# Altium PCB MLB_REV1.PcbDoc (part 1 of 3)
Units mm, origin at the board's own origin, x right, y up, seen from the top; angles counter-clockwise.
Board outline 150 x 100 mm, 2 copper layers (Top Layer, Bottom Layer); 244 components, 218 nets, 948 pads, 549 vias.
Unrouted connection lines stored in the file: 5.
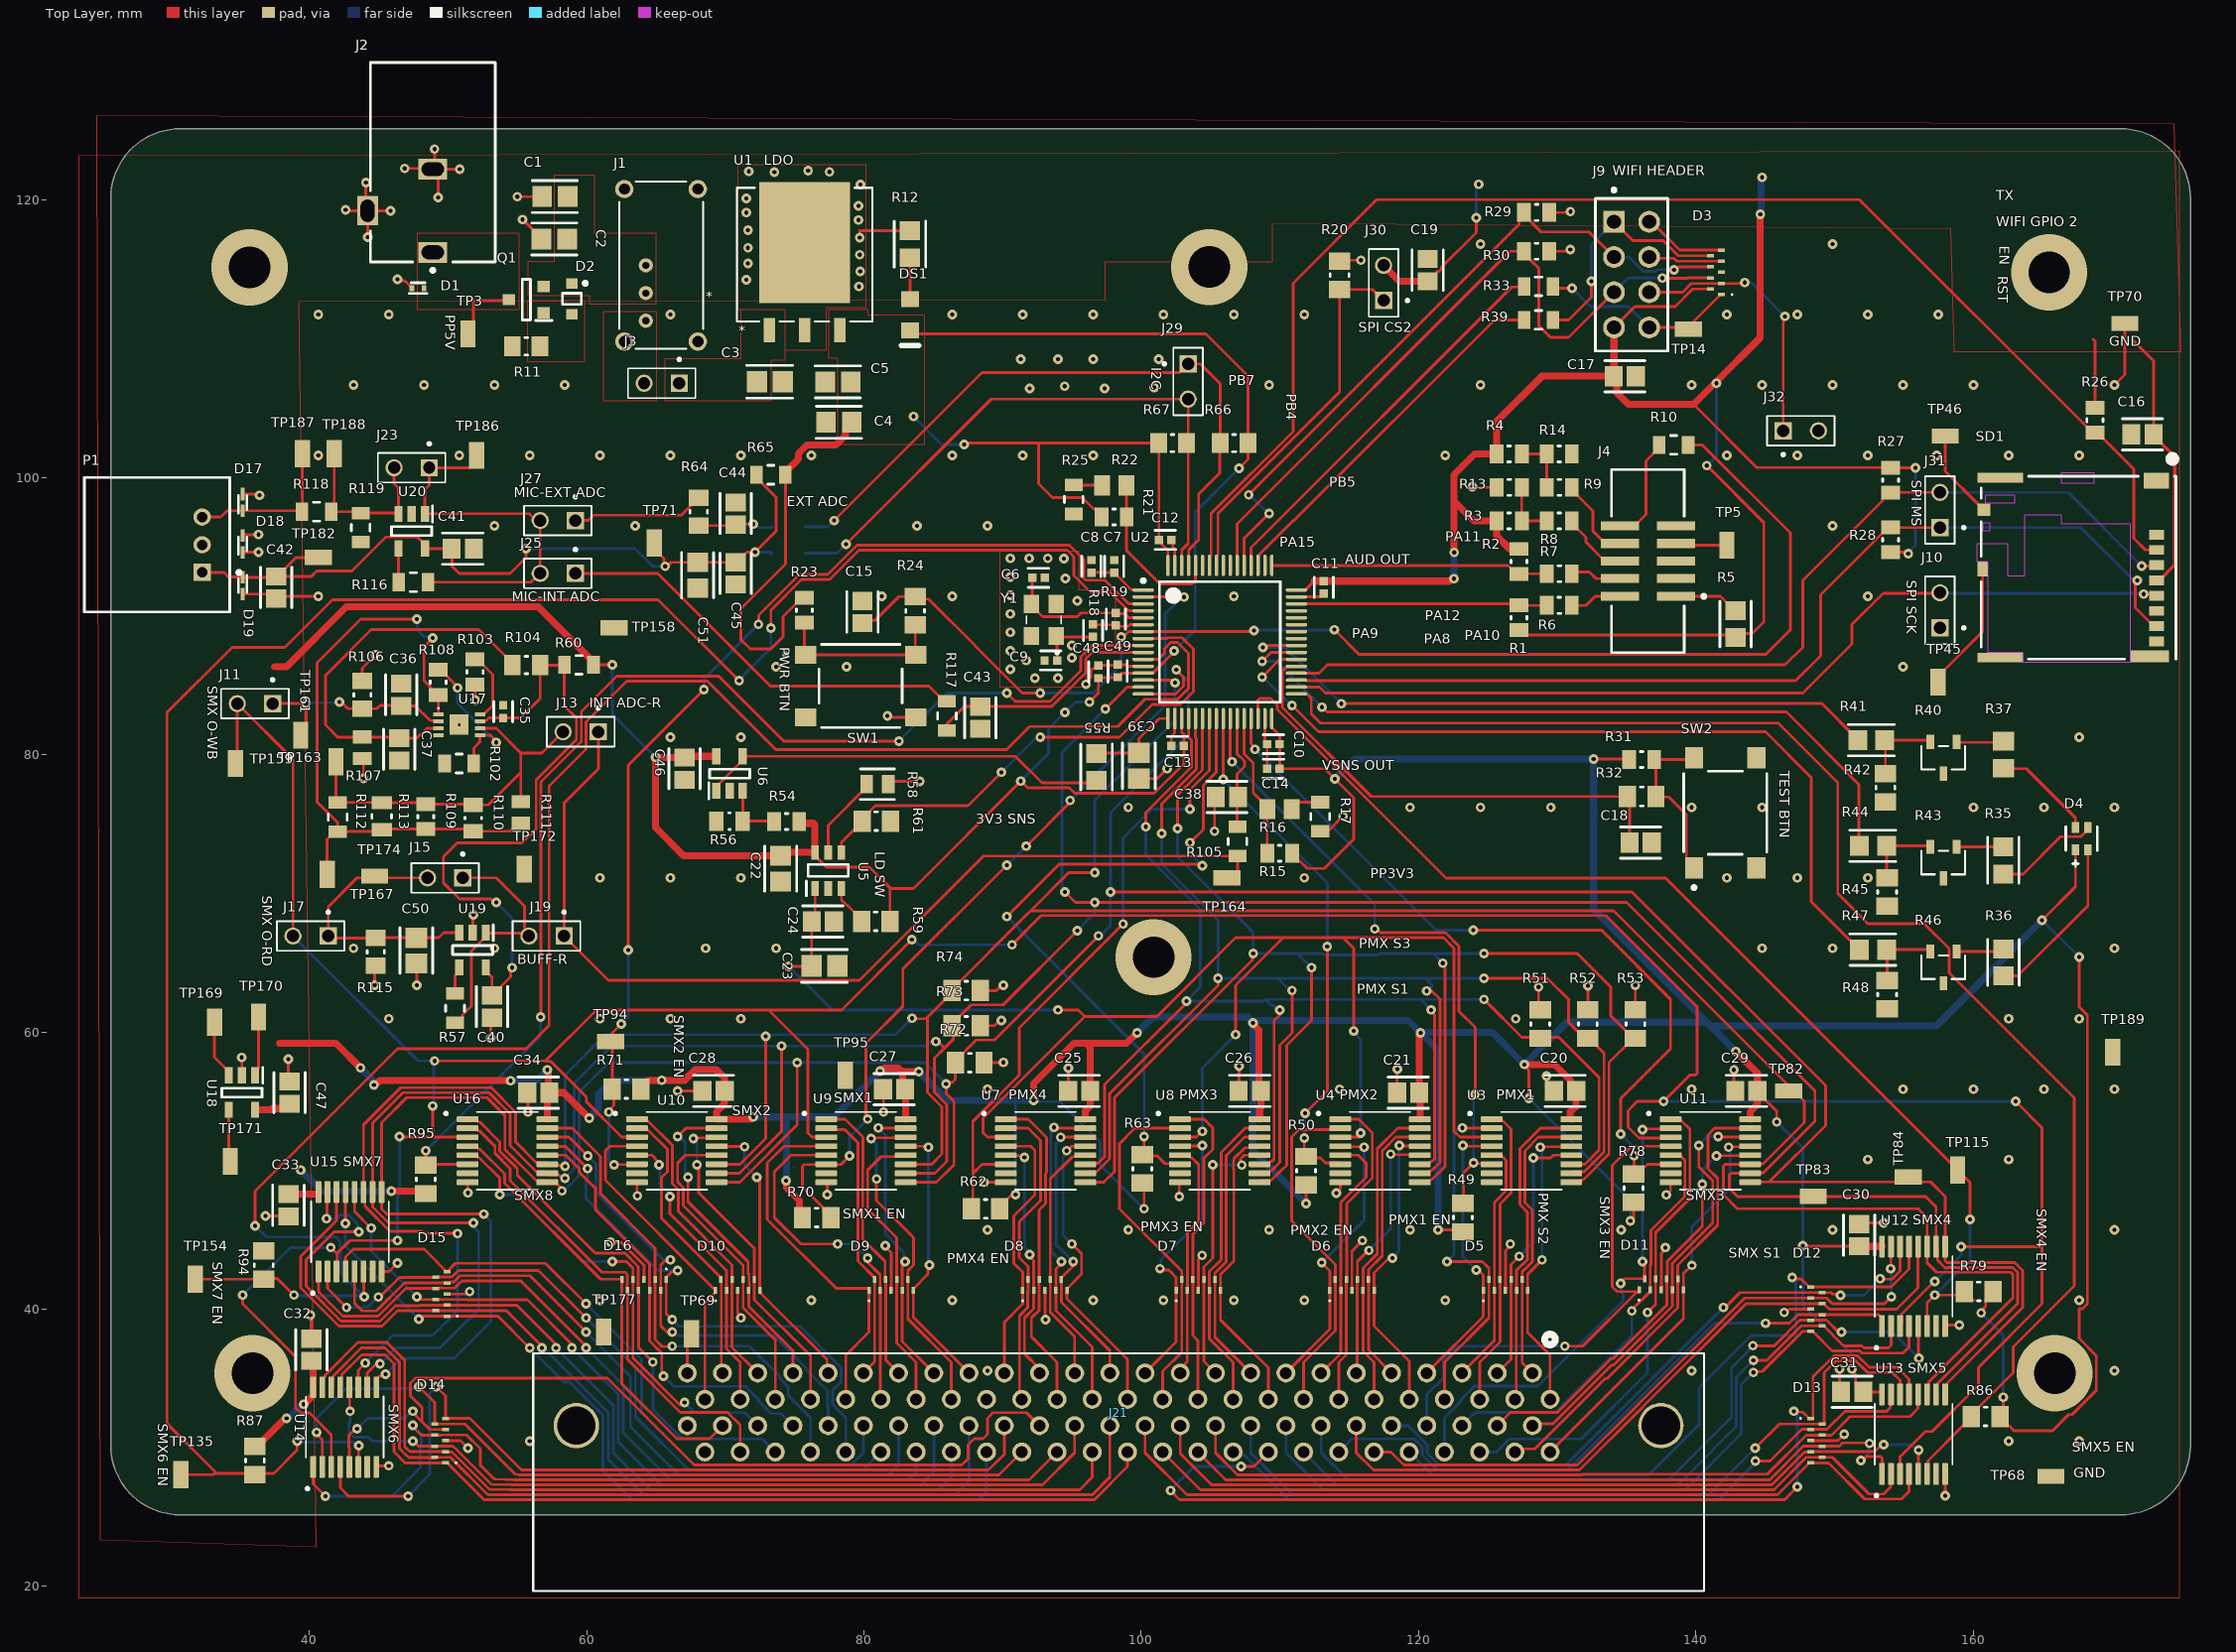
[diagram p0: Top Layer view]
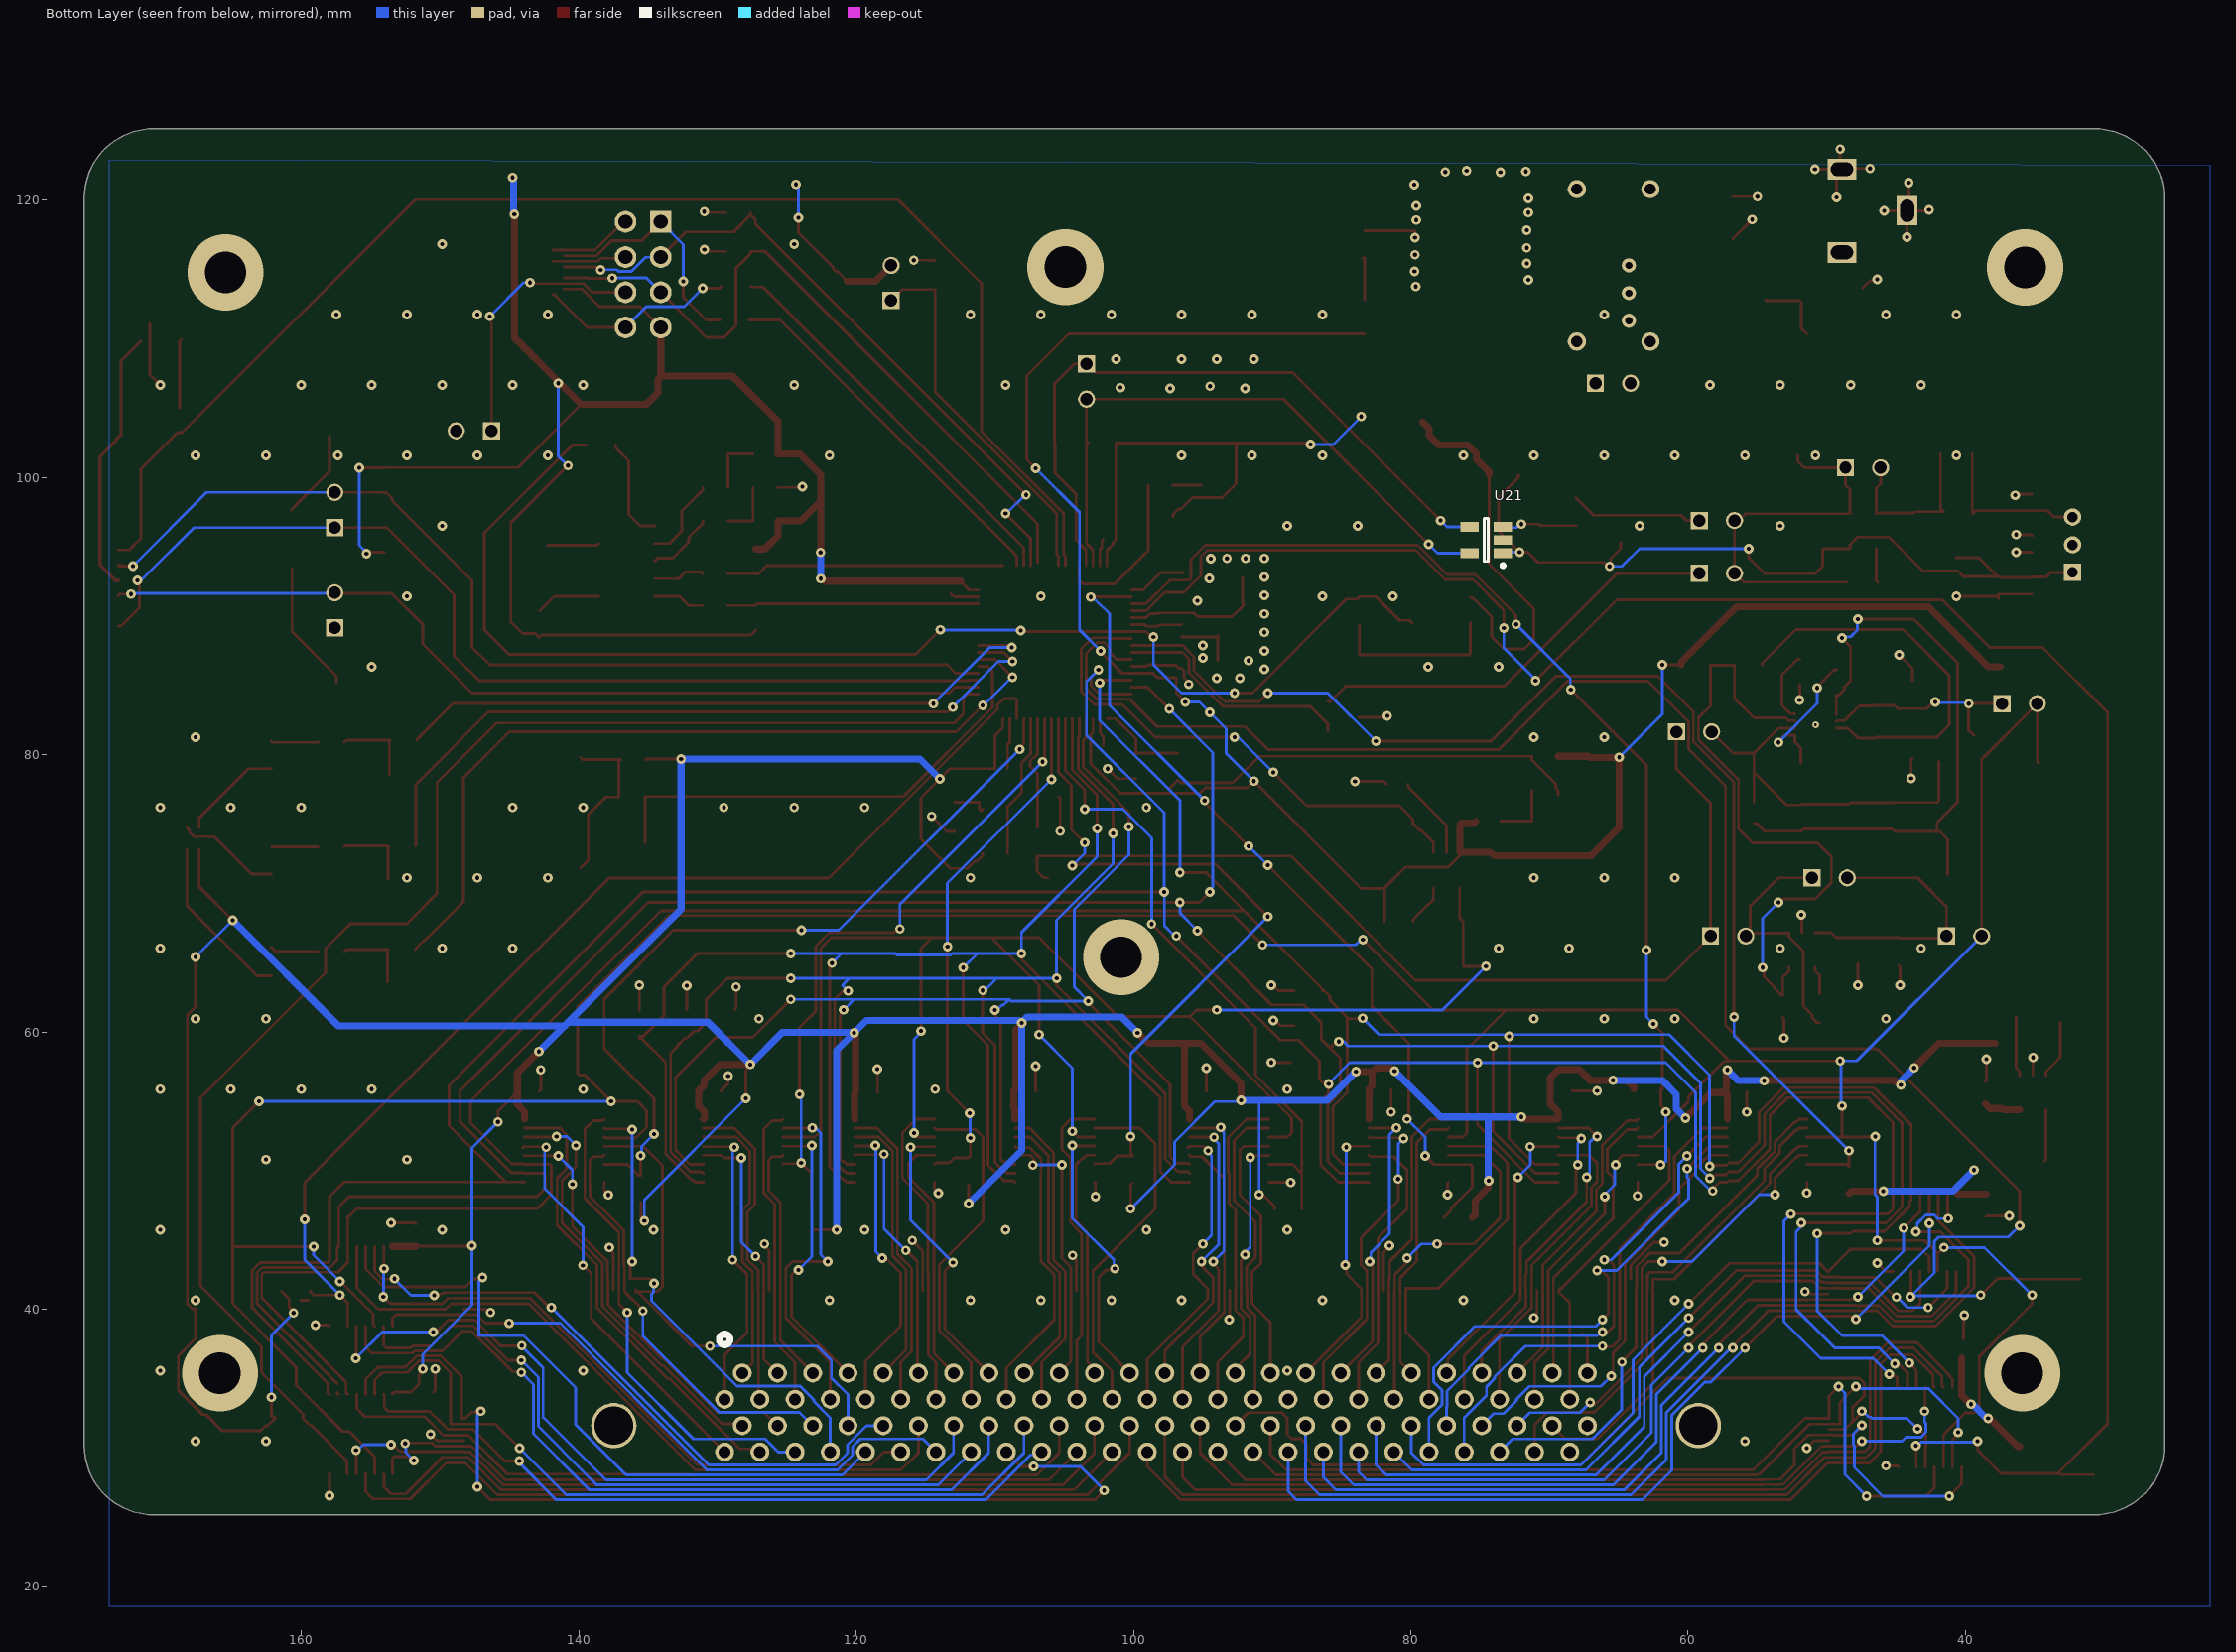
[diagram p1: Bottom Layer view, seen from below]
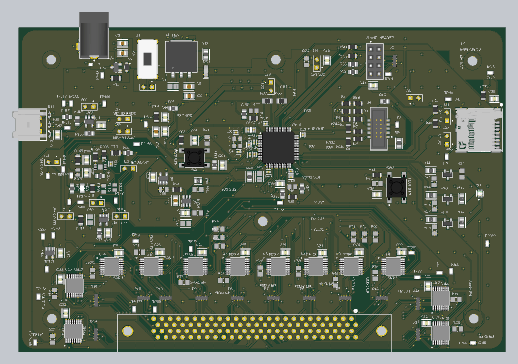
[diagram p4: 3D render of the assembled board from above, using the file's embedded part models]

## Layer stack, top to bottom
Top Solder: solder mask 0.0102, Solder Resist, Dk 3.5
Top Layer: signal copper 0.0356
Dielectric 1: dielectric 0.32, FR-4, Dk 4.8
Bottom Layer: signal copper 0.0356
Bottom Solder: solder mask 0.0102, Solder Resist, Dk 3.5

## Board outline
25.671,30.166 ccw(c30.671,30.166) 30.671,25.166 170.671,25.166 ccw(c170.671,30.166) 175.671,30.166 175.671,120.166 ccw(c170.671,120.166) 170.671,125.166 30.671,125.166 ccw(c30.671,120.166) 25.671,120.166

## Design rules (kind name [scope] priority, off if disabled: settings)
BoardOutlineClearance [All] p1: gap=1 ignorepadtopadclearanceinfootprint=FALSE except(0: Arc-SplitContinuation Track-SplitContinuation SMDPad-SplitContinuation THPad-SplitContinuation Via-SplitContinuation Fill-SplitContinuation Poly-SplitContinuation Region-SplitContinuation Text-SplitContinuation)
Clearance [All] p1: gap=0.152 ignorepadtopadclearanceinfootprint=FALSE
MinimumAnnularRing [All] p1: minimumring=0.152
PolygonConnect [All] p1: connectstyle=Relief reliefconductorwidth=0.254 reliefentries=4 polygonreliefangle="90 Angle" airgapwidth=0.254
RoutingVias [All] p1: holewidth=0.3 width=0.7 viastyle="Through Hole" minholewidth=0.3 minwidth=0.7 maxholewidth=0.711 maxwidth=1.27
SolderMaskExpansion [All] p1: expansion=0.102 istentingtop=FALSE
UnRoutedNet [All] p1: checkbadconnections=TRUE
Width [InNetClass('All Nets')] p1: maxlimit=0.508 minlimit=0.152 preferedwidth=0.203 minimp=50.000000 maximp=50.000000 favimp=50.000000
29 further rules are at their usual default settings.

## Classes and differential pairs
component class VELOSTAT_SENSING: C35 C36 C37 C38 C40 C47 C50 J11 J13 J15 J17 J19 R57 R60 R102 R103 R104 R105 R106 R107 R108 R109 R110 R111 R112 R113 R115 TP158 TP159 TP161 TP163 TP164 TP167 TP169 TP170 TP171 TP172 TP174 U17 U18 U19
component class SENSE_MUXES: C27 C28 C29 C30 C31 C32 C33 C34 R70 R71 R72 R73 R74 R78 R79 R86 R87 R94 R95 TP74 TP75 TP76 TP77 TP78 TP79 TP80 TP81 TP82 TP83 TP84 TP85 TP86 TP87 TP88 TP89 TP90 TP91 TP92 TP94 TP95 TP98 TP99 TP100 TP101 TP102 TP103 TP104 TP105 TP106 TP107 TP108 TP109 TP110 TP111 TP112 TP113 TP115 TP118 TP119 TP120 TP121 TP122 TP123 TP124 TP125 TP126 TP127 TP128 TP129 TP130 TP131 TP132 TP133 TP135 TP138 TP139 TP140 TP141 TP142 TP143 TP144 TP145 TP146 TP147 TP148 TP149 TP150 TP151 TP152 TP153 TP154 U9 U10 U11 U12 U13 U14 U15 U16
component class SD_CARD_WiFi: C16 C17 C18 C19 D3 D4 J9 J10 J29 J30 J31 J32 R20 R26 R27 R28 R29 R30 R31 R32 R33 R35 R36 R37 R39 R40 R41 R42 R43 R44 R45 R46 R47 R48 SD1 SW2 TP10 TP14 TP22 TP23 TP24 TP25 TP45 TP46
component class POWER_MUXES: 3 C20 C21 C22 C23 C24 C25 C26 C39 C46 R49 R50 R51 R52 R53 R54 R55 R56 R58 R59 R61 R62 R63 TP26 TP27 TP28 TP29 TP30 TP31 TP32 TP33 TP34 TP35 TP36 TP37 TP38 TP39 TP40 TP41 TP47 TP50 TP51 TP52 TP53 TP54 TP55 TP56 TP57 TP58 TP59 TP60 TP61 TP62 TP63 TP64 TP65 U3 U4 U5 U6 U7 U8
component class POWER_MCU: C1 C2 C3 C4 C5 C6 C7 C8 C9 C10 C11 C12 C13 C14 C15 C48 C49 D1 D2 DS1 J1 J2 J3 J4 Q1 R1 R2 R3 R4 R5 R6 R7 R8 R9 R10 R11 R12 R13 R14 R15 R16 R17 R18 R19 R21 R22 R23 R24 R25 R66 R67 SW1 TP3 TP5 U1 U2 Y1
component class MICROPHONE: C41 C42 C43 C44 C45 C51 D17 D18 D19 J23 J24 J25 J27 P1 R64 R65 R116 R117 R118 R119 TP68 TP70 TP71 TP179 TP180 TP182 TP184 TP186 TP187 TP188 TP189 TP191 TP192 TP193 TP194 U20 U21
component class MAT_CABLING_CONNECTOR: D5 D6 D7 D8 D9 D10 D11 D12 D13 D14 D15 D16 J21 TP69 TP177

## Components (designator, comment, footprint, x,y, rotation, side; value= is the part's Value field where it differs from the comment)
C1 "GRM21BR71A106KA73K" FP-GRM21B-0_15-IPC_A 57.695,120.269 r180 top
C2 "GRM21BR61A226ME51L" FP-GRM21B-0_15-IPC_A 57.658,117.221 r180 top
C3 "CL21B105KOFNNNE" FP-CL21-IPC_A 73.207,106.912 r0 top
C4 "GRM21BR61A226ME51L" FP-GRM21B-0_15-IPC_A 78.189,103.991 r180 top
C5 "GRM21BR71A106KA73K" FP-GRM21B-0_15-IPC_A 78.123,106.912 r180 top
C6 "GJM1555C1H140GB01D" FP-CC0402-IPC_B 92.583,92.773 r0 top
C7 "CC0402KRX7R7BB104" FP-CC0402-IPC_B 98.044,93.599 r90 top value="100 nF"
C8 "GRM155R60J106ME05D" FP-CC0402-IPC_B 96.393,93.599 r90 top
C9 "GJM1555C1H140GB01D" FP-CC0402-IPC_B 93.472,86.804 r180 top
C10 "CC0402KRX7R7BB104" FP-CC0402-IPC_B 109.53,80.772 r180 top value="100 nF"
C11 "CC0402KRX7R7BB104" FP-CC0402-IPC_B 113.157,92.075 r270 top value="100 nF"
C12 "CC0402KRX7R7BB104" FP-CC0402-IPC_B 101.727,95.504 r0 top value="100 nF"
C13 "CC0402KRX7R7BB104" FP-CC0402-IPC_B 102.616,80.645 r180 top value="100 nF"
C14 "GRM155R60J106ME05D" FP-CC0402-IPC_B 109.53,78.994 r180 top
C15 "C0805C104M3RACTU" FP-C0805C-DN-IPC_B 79.883,90.297 r90 top value="0.10 μF"
C16 "C0805C104M3RACTU" FP-C0805C-DN-IPC_B 172.212,103.124 r180 top value="0.10 μF"
C17 "C0805C104M3RACTU" FP-C0805C-DN-IPC_B 134.874,107.315 r0 top value="0.10 μF"
C18 "C0805C104M3RACTU" FP-C0805C-DN-IPC_B 136.017,73.66 r0 top value="0.10 μF"
C19 "C0805C104M3RACTU" FP-C0805C-DN-IPC_B 120.65,114.974 r90 top value="0.10 μF"
C20 "C0805C104M3RACTU" FP-C0805C-DN-IPC_B 130.568,55.753 r180 top value="0.10 μF"
C21 "C0805C104M3RACTU" FP-C0805C-DN-IPC_B 119.253,55.626 r180 top value="0.10 μF"
C22 "GRM21BR71A106KA73K" FP-GRM21B-0_15-IPC_A 73.984,71.786 r270 top
C23 "CL21B105KOFNNNE" FP-CL21-IPC_A 77.146,64.77 r0 top
C24 "C0805C104M3RACTU" FP-C0805C-DN-IPC_B 77.032,67.976 r0 top value="0.10 μF"
C25 "C0805C104M3RACTU" FP-C0805C-DN-IPC_B 95.519,55.753 r180 top value="0.10 μF"
C26 "C0805C104M3RACTU" FP-C0805C-DN-IPC_B 107.823,55.753 r180 top value="0.10 μF"
C27 "C0805C104M3RACTU" FP-C0805C-DN-IPC_B 82.169,55.88 r180 top value="0.10 μF"
C28 "C0805C104M3RACTU" FP-C0805C-DN-IPC_B 69.147,55.753 r180 top value="0.10 μF"
C29 "C0805C104M3RACTU" FP-C0805C-DN-IPC_B 143.637,55.753 r180 top value="0.10 μF"
C30 "C0805C104M3RACTU" FP-C0805C-DN-IPC_B 151.765,45.339 r90 top value="0.10 μF"
C31 "C0805C104M3RACTU" FP-C0805C-DN-IPC_B 151.272,34.036 r180 top value="0.10 μF"
C32 "C0805C104M3RACTU" FP-C0805C-DN-IPC_B 40.132,37.072 r90 top value="0.10 μF"
C33 "C0805C104M3RACTU" FP-C0805C-DN-IPC_B 38.481,47.498 r270 top value="0.10 μF"
C34 "C0805C104M3RACTU" FP-C0805C-DN-IPC_B 56.503,55.626 r180 top value="0.10 μF"
C35 "CC0402KRX7R7BB104" FP-CC0402-IPC_B 53.975,83.114 r90 top value="100 nF"
C36 "C0805C104M3RACTU" FP-C0805C-DN-IPC_B 46.609,84.328 r90 top value="0.10 μF"
C37 "C0805C104M3RACTU" FP-C0805C-DN-IPC_B 46.482,80.391 r270 top value="0.10 μF"
C38 "C0805C104M3RACTU" FP-C0805C-DN-IPC_B 106.172,76.962 r180 top value="0.10 μF"
C39 "CL21B105KOFNNNE" FP-CL21-IPC_A 99.822,79.211 r270 top
C40 "C0805C104M3RACTU" FP-C0805C-DN-IPC_B 53.162,61.837 r90 top value="0.10 μF"
C41 "C0805C104M3RACTU" FP-C0805C-DN-IPC_B 51.054,94.869 r180 top value="0.10 μF"
C42 "C0805C104M3RACTU" FP-C0805C-DN-IPC_B 37.592,92.075 r90 top value="0.10 μF"
C43 "C0805C104M3RACTU" FP-C0805C-DN-IPC_B 88.392,82.677 r270 top value="0.10 μF"
C44 "C0805C104M3RACTU" FP-C0805C-DN-IPC_B 70.739,97.409 r90 top value="0.10 μF"
C45 "C0805C104M3RACTU" FP-C0805C-DN-IPC_B 70.739,93.091 r270 top value="0.10 μF"
C46 "C0805C104M3RACTU" FP-C0805C-DN-IPC_B 67.056,78.994 r270 top value="0.10 μF"
C47 "C0805C104M3RACTU" FP-C0805C-DN-IPC_B 38.557,55.626 r270 top value="0.10 μF"
C48 "CC0402KRX5R5BB105" FP-CC0402-IPC_B 96.901,85.979 r90 top value="1 uF"
C49 "CC0402KRX7R7BB104" FP-CC0402-IPC_B 98.298,86.05 r90 top value="100 nF"
C50 "CL21B105KOFNNNE" FP-CL21-IPC_A 47.701,65.876 r270 top
C51 "GRM21BR71A106KA73K" FP-GRM21B-0_15-IPC_A 67.993,92.964 r270 top
D1 "DF2S10FS,L3M" DIOM106X45N#1 47.823,113.665 r180 top
D2 "MM3Z8V2ST1G" ONSC-SOD-323-2-477-02_V 58.928,112.903 r270 top
D3 "SP7538PUTG" SP7538PUTG 141.459,114.808 r90 top
D4 "EAST1616RGBB4" FP-EAST1616RGBB4-MFG 167.825,73.952 r270 top
D5 "SP7538PUTG" SP7538PUTG 126.268,41.754 r0 top
D6 "SP7538PUTG" SP7538PUTG 115.191,41.754 r0 top
D7 "SP7538PUTG" SP7538PUTG 104.114,41.754 r0 top
D8 "SP7538PUTG" SP7538PUTG 93.037,41.754 r0 top
D9 "SP7538PUTG" SP7538PUTG 81.96,41.754 r0 top
D10 "SP7538PUTG" SP7538PUTG 70.883,41.754 r0 top
D11 "SP7538PUTG" SP7538PUTG 137.503,41.802 r0 top
D12 "SP7538PUTG" SP7538PUTG 148.698,40.005 r270 top
D13 "SP7538PUTG" SP7538PUTG 148.698,30.518 r270 top locked
D14 "SP7538PUTG" SP7538PUTG 49.422,30.518 r90 top locked
D15 "SP7538PUTG" SP7538PUTG 49.511,41.097 r90 top
D16 "SP7538PUTG" SP7538PUTG 64.135,41.764 r180 top
D17 "DF2S10FS,L3M" DIOM106X45N#2 35.179,98.206 r90 top
D18 "DF2S10FS,L3M" DIOM106X45N#2 35.179,95.215 r90 top
D19 "DF2S10FS,L3M" DIOM106X45N#2 35.179,92.202 r270 top
DS1 "598-8170-107F" DIAL-0805-2_V 83.33,111.738 r90 top
J1 "MFS101D-8-Z" CONN03_MFS_11P8X5P8_NDC 65.362,113.316 r180 top
J2 "PJ-102BH" CUI-PJ-102BH_V 48.895,119.253 r90 top
J3 "4-103328-1" TE_4-103328-1 66.675,106.807 r270 top
J4 "3220-10-0300-00" CNC_Tech_0_MFG 136.542,93.98 r90 top
J9 "PPTC042LFBN-RC" FP-PPTC042LFBN-RC-MFG 135.362,114.643 r270 top locked
J10 "4-103328-1" TE_4-103328-1 157.607,89.154 r180 top
J11 "4-103328-1" TE_4-103328-1 37.338,83.693 r270 top
J13 "4-103328-1" TE_4-103328-1 60.833,81.661 r270 top
J15 "4-103328-1" TE_4-103328-1 51.054,71.12 r270 top
J17 "4-103328-1" TE_4-103328-1 41.351,66.929 r270 top
J19 "4-103328-1" TE_4-103328-1 58.369,66.929 r270 top
J21 "1-787082-8" CONN100_1-787082-8_TEC 129.481,33.5 r0 top locked
J23 "4-103328-1" TE_4-103328-1 48.641,100.711 r270 top
J25 "4-103328-1" TE_4-103328-1 59.182,93.091 r270 top
J27 "4-103328-1" TE_4-103328-1 59.182,96.901 r270 top
J29 "4-103328-1" TE_4-103328-1 103.378,108.204 r0 top
J30 "4-103328-1" TE_4-103328-1 117.475,112.776 r180 top
J31 "4-103328-1" TE_4-103328-1 157.607,96.393 r180 top
J32 "4-103328-1" TE_4-103328-1 146.304,103.378 r90 top
P1 "35363-0360" MOLX-35363-0360_V 29.008,95.155 r90 top
Q1 "AO3423" SOT95P280X125-3N 55.646,112.842 r180 top
R1 "RC0805FR-0710KL" RESC2013X60X35NL10T20 127.24,89.89 r270 top value=10K
R2 "RC0805FR-0710KL" RESC2013X60X35NL10T20 127.24,93.954 r90 top value=10K
R3 "RC0805FR-0710KL" RESC2013X60X35NL10T20 126.54,96.875 r180 top value=10K
R4 "RC0805FR-0710KL" RESC2013X60X35NL10T20 126.54,101.701 r180 top value=10K
R5 "RMCF0805FT100R" FP-RMCF0805-IPC_A 142.861,89.433 r90 top
R6 "RC0805FR-0733RL" RESC2013X60X35NL10T20 130.15,90.779 r180 top
R7 "RC0805FR-0733RL" RESC2013X60X35NL10T20 130.15,93.065 r180 top
R8 "RC0805FR-0733RL" RESC2013X60X35NL10T20 130.15,96.875 r180 top
R9 "RC0805FR-0733RL" RESC2013X60X35NL10T20 130.15,99.288 r180 top
R10 "RMCF0805ZT0R00" FP-RMCF0805-MFG 138.396,102.362 r180 top
R11 "RC0805FR-071KL" RESC2013X60X35ML10T20 55.626,109.474 r0 top
R12 "RMCF0805FT100R" FP-RMCF0805-IPC_A 83.312,116.84 r90 top
R13 "RC0805FR-0710KL" RESC2013X60X35NL10T20 126.54,99.288 r0 top value=10K
R14 "RC0805FR-0710KL" RESC2013X60X35NL10T20 130.15,101.701 r180 top value=10K
R15 "RC0805FR-0710KL" RESC2013X60X35NL10T20 109.982,72.898 r0 top value=10KOhm
R16 "ERJ-6ENF5100V" RESC2013X70X40NL20T20 109.982,76.073 r180 top
R17 "RMCF0805ZT0R00" FP-RMCF0805-MFG 112.903,75.531 r90 top
R18 "RC0402FR-07220RL" FP-CC0402-IPC_B 96.52,88.963 r270 top
R19 "CRGCQ0402F1M0" FP-CC0402-IPC_B 98.171,89.789 r90 top value=1MΩ
R20 "CRCW080515K0FKTA" RESC2013X50X30ML20T20 114.3,114.602 r270 top value=10KOhm
R21 "RC0805FR-0710KL" RESC2013X60X35NL10T20 98.044,97.155 r180 top value=10KOhm
R22 "ERJ-6ENF5100V" RESC2013X70X40NL20T20 98.044,99.441 r0 top
R23 "RC0805FR-0710KL" RESC2013X60X35NL10T20 75.692,90.424 r90 top value=10KOhm
R24 "CRCW080515K0FKTA" RESC2013X50X30ML20T20 83.693,90.388 r90 top value=10KOhm
R25 "RMCF0805ZT0R00" FP-RMCF0805-MFG 95.123,98.425 r90 top
R26 "RC0805FR-0710KL" RESC2013X60X35NL10T20 168.783,104.14 r90 top value=10KOhm
R27 "RC0805FR-0710KL" RESC2013X60X35NL10T20 154.051,99.822 r90 top value=10KOhm
R28 "RC0805FR-0710KL" RESC2013X60X35NL10T20 154.051,95.515 r270 top value=10KOhm
R29 "RC0805FR-0710KL" RESC2013X60X35NL10T20 128.513,119.126 r180 top value=10KOhm
R30 "RC0805FR-0710KL" RESC2013X60X35NL10T20 128.513,116.332 r180 top value=10KOhm
R31 "RC0805FR-0710KL" RESC2013X60X35NL10T20 136.092,79.66 r180 top value=10KOhm
R32 "CRCW080515K0FKTA" RESC2013X50X30ML20T20 136.092,76.993 r180 top value=10KOhm
R33 "RMCF0805ZT0R00" FP-RMCF0805-MFG 128.651,113.792 r0 top
R35 "RMCF0805FT100R" FP-RMCF0805-IPC_A 162.172,72.378 r90 top
R36 "RMCF0805FT100R" FP-RMCF0805-IPC_A 162.179,65.024 r90 top
R37 "ERJ-6ENF3000V" RESC2013X70X40ML20T20 162.179,80.01 r90 top
R39 "RMCF0805ZT0R00" FP-RMCF0805-MFG 128.651,111.379 r0 top
R40 "RK7002BMT116" TRANS_RK7002BMHZG_ROM 157.854,79.784 r180 top
R41 "RMCF0805FT100R" FP-RMCF0805-IPC_A 152.647,81.054 r0 top
R42 "CRCW080515K0FKTA" RESC2013X50X30ML20T20 153.67,77.625 r90 top value=10KOhm
R43 "RK7002BMT116" TRANS_RK7002BMHZG_ROM 157.854,72.228 r180 top
R44 "RMCF0805FT100R" FP-RMCF0805-IPC_A 152.774,73.434 r0 top
R45 "CRCW080515K0FKTA" RESC2013X50X30ML20T20 153.797,70.104 r90 top value=10KOhm
R46 "RK7002BMT116" TRANS_RK7002BMHZG_ROM 157.854,64.671 r180 top
R47 "RMCF0805FT100R" FP-RMCF0805-IPC_A 152.774,65.941 r0 top
R48 "CRCW080515K0FKTA" RESC2013X50X30ML20T20 153.797,62.702 r90 top value=10KOhm
R49 "CRCW080515K0FKTA" RESC2013X50X30ML20T20 123.19,46.609 r270 top value=10KOhm
R50 "CRCW080515K0FKTA" RESC2013X50X30ML20T20 111.887,50.002 r270 top value=10KOhm
R51 "CRCW080515K0FKTA" RESC2013X50X30ML20T20 128.778,60.57 r270 top value=10KOhm
R52 "CRCW080515K0FKTA" RESC2013X50X30ML20T20 132.207,60.57 r270 top value=10KOhm
R53 "CRCW080515K0FKTA" RESC2013X50X30ML20T20 135.636,60.57 r270 top value=10KOhm
R54 "RC0805FR-0710KL" RESC2013X60X35NL10T20 74.422,75.184 r0 top value=10KOhm
R55 "RMCF0805FT100R" FP-RMCF0805-IPC_A 96.774,79.121 r90 top
R56 "20K 1% 0805(2012)" RESC0805(2012)_N 70.301,75.215 r0 top value=20K
R57 "RMCF0805ZT0R00" FP-RMCF0805-MFG 50.495,61.722 r270 top
R58 "CRGCQ0805F68K" FP-CRGCQ0805-IPC_C 80.969,77.882 r180 top value=68KΩ
R59 "CRCW080515K0FKTA" RESC2013X50X30ML20T20 80.842,67.976 r180 top value=10KOhm
R60 "RMCF0805ZT0R00" FP-RMCF0805-MFG 59.436,86.487 r0 top
R61 "CRCW080515K0FKTA" RESC2013X50X30ML20T20 80.878,75.215 r0 top value=10KOhm
R62 "CRCW080515K0FKTA" RESC2013X50X30ML20T20 88.773,47.244 r0 top value=10KOhm
R63 "CRCW080515K0FKTA" RESC2013X50X30ML20T20 100.076,50.129 r270 top value=10KOhm
R64 "RC0805FR-071KL" RESC2013X60X35ML10T20 68.072,97.536 r90 top
R65 "RMCF0805ZT0R00" FP-RMCF0805-MFG 73.279,100.203 r0 top
R66 "RC0805FR-071KL" RESC2013X60X35ML10T20 106.696,102.489 r180 top
R67 "RC0805FR-071KL" RESC2013X60X35ML10T20 102.251,102.489 r0 top
R70 "CRCW080515K0FKTA" RESC2013X50X30ML20T20 76.581,46.609 r180 top value=10KOhm
R71 "CRCW080515K0FKTA" RESC2013X50X30ML20T20 62.865,55.88 r0 top value=10KOhm
R72 "CRCW080515K0FKTA" RESC2013X50X30ML20T20 87.63,57.785 r180 top value=10KOhm
R73 "CRCW080515K0FKTA" RESC2013X50X30ML20T20 87.376,60.452 r180 top value=10KOhm
R74 "CRCW080515K0FKTA" RESC2013X50X30ML20T20 87.376,62.992 r180 top value=10KOhm
R78 "CRCW080515K0FKTA" RESC2013X50X30ML20T20 135.509,48.732 r270 top value=10KOhm
R79 "CRCW080515K0FKTA" RESC2013X50X30ML20T20 160.401,41.275 r0 top value=10KOhm
R86 "CRCW080515K0FKTA" RESC2013X50X30ML20T20 160.9,32.258 r0 top value=10KOhm
R87 "CRCW080515K0FKTA" RESC2013X50X30ML20T20 36.068,29.083 r90 top value=10KOhm
R94 "CRCW080515K0FKTA" RESC2013X50X30ML20T20 36.703,43.18 r90 top value=10KOhm
R95 "CRCW080515K0FKTA" RESC2013X50X30ML20T20 48.387,49.367 r270 top value=10KOhm
R102 "RMCF0805ZT0R00" FP-RMCF0805-MFG 50.8,79.375 r180 top
R103 "RC0805FR-0710KL" RESC2013X60X35NL10T20 51.943,85.979 r90 top value=10KOhm
R104 "RC0805FR-071KL" RESC2013X60X35ML10T20 55.642,86.487 r0 top
R105 "RMCF0805ZT0R00" FP-RMCF0805-MFG 106.934,73.753 r90 top
R106 "RC0805FR-071KL" RESC2013X60X35ML10T20 43.815,84.328 r270 top
R107 "ERJ-6GEYJ333V" RESC2013X70X40LL20T20 43.815,80.505 r90 top value=33K
R108 "RC0805FR-0710KL" RESC2013X60X35NL10T20 49.276,85.228 r90 top value=10KOhm
R109 "RC0805FR-0710KL" RESC2013X60X35NL10T20 48.387,75.538 r270 top value=10KOhm
R110 "20K 1% 0805(2012)" RESC0805(2012)_N 51.816,75.438 r270 top value=20K
R111 "ERJ-6GEYJ333V" RESC2013X70X40LL20T20 55.245,75.838 r270 top value=33K
R112 "RMCF0805ZT0R00" FP-RMCF0805-MFG 42.037,75.513 r270 top
R113 "CRCW08055K10FKEA" FP-CRCW0805-e3-MFG 45.212,75.563 r270 top
R115 "RC0805FR-07470RL" RESC2013X60X35ML10T20 44.78,65.786 r90 top
R116 "RMCF0805ZT0R00" FP-RMCF0805-MFG 47.498,92.456 r0 top
R117 "RMCF0805ZT0R00" FP-RMCF0805-MFG 85.979,82.804 r270 top
R118 "RMCF0805ZT0R00" FP-RMCF0805-MFG 40.513,97.536 r180 top
R119 "RMCF0805ZT0R00" FP-RMCF0805-MFG 43.688,96.393 r90 top
SD1 "5033981892" MOLX-503398-1892_V 166.958,93.501 r270 top
SW1 "PTS645SM43SMTR92LFS" FP-PTS645SM43SMTR92LFS-MFG 79.756,84.963 r0 top
SW2 "PTS645SM43SMTR92LFS" FP-PTS645SM43SMTR92LFS-MFG 142.113,75.819 r90 top